# KiCad board austin.kicad_pcb
title: Austin PCB; date: 2019-09-29; rev: Alpha; company: Designed By Gondolindrim; note: In partnership with driftingbunnies and PheonixStarr
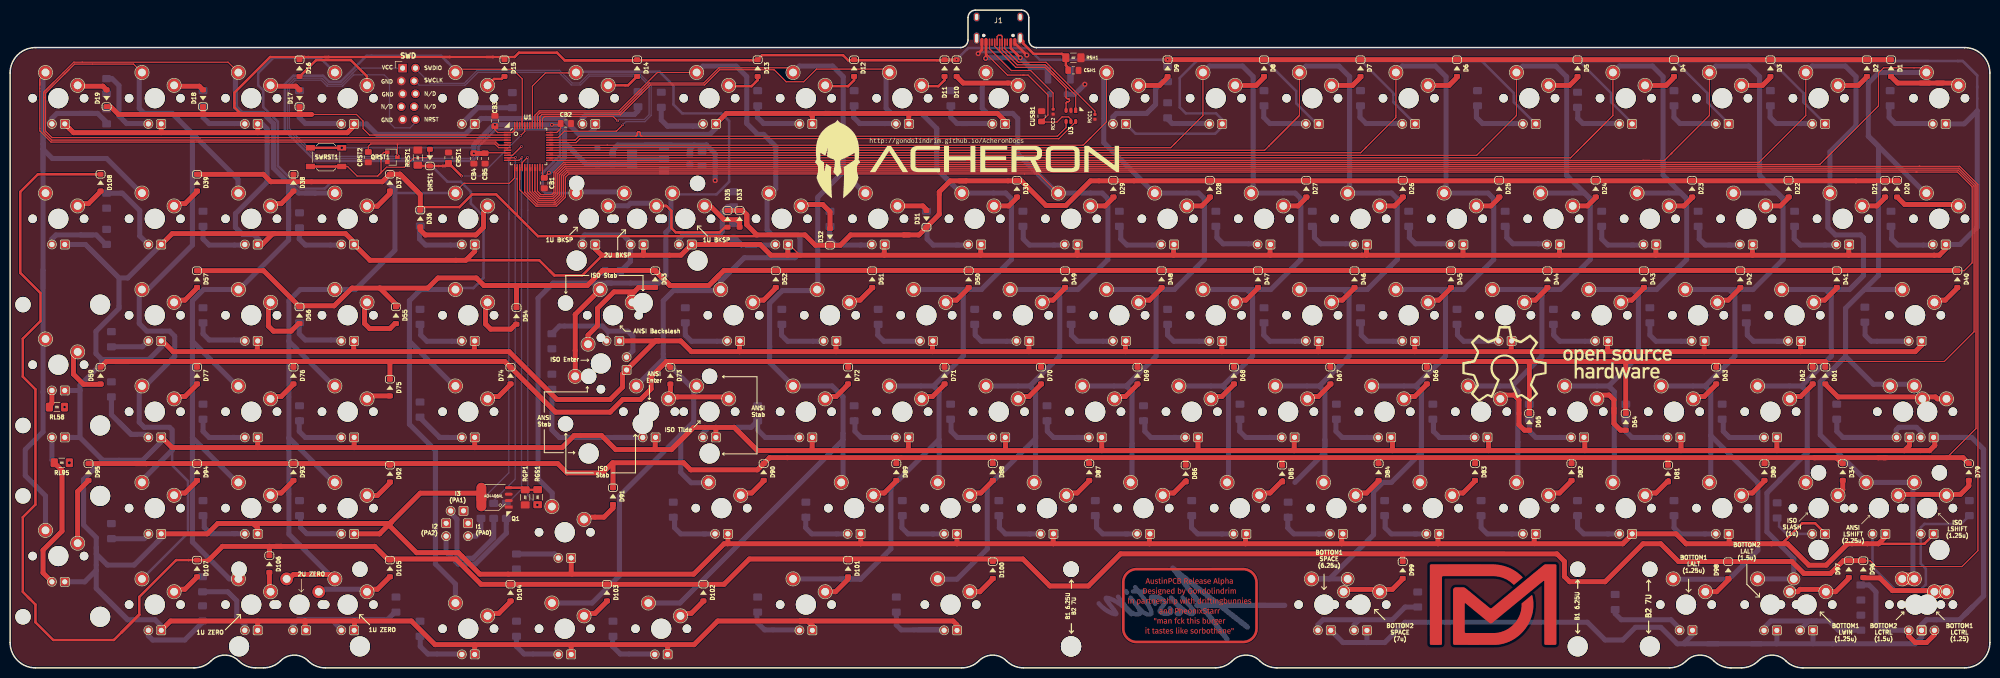
[diagram p0: board, top side]
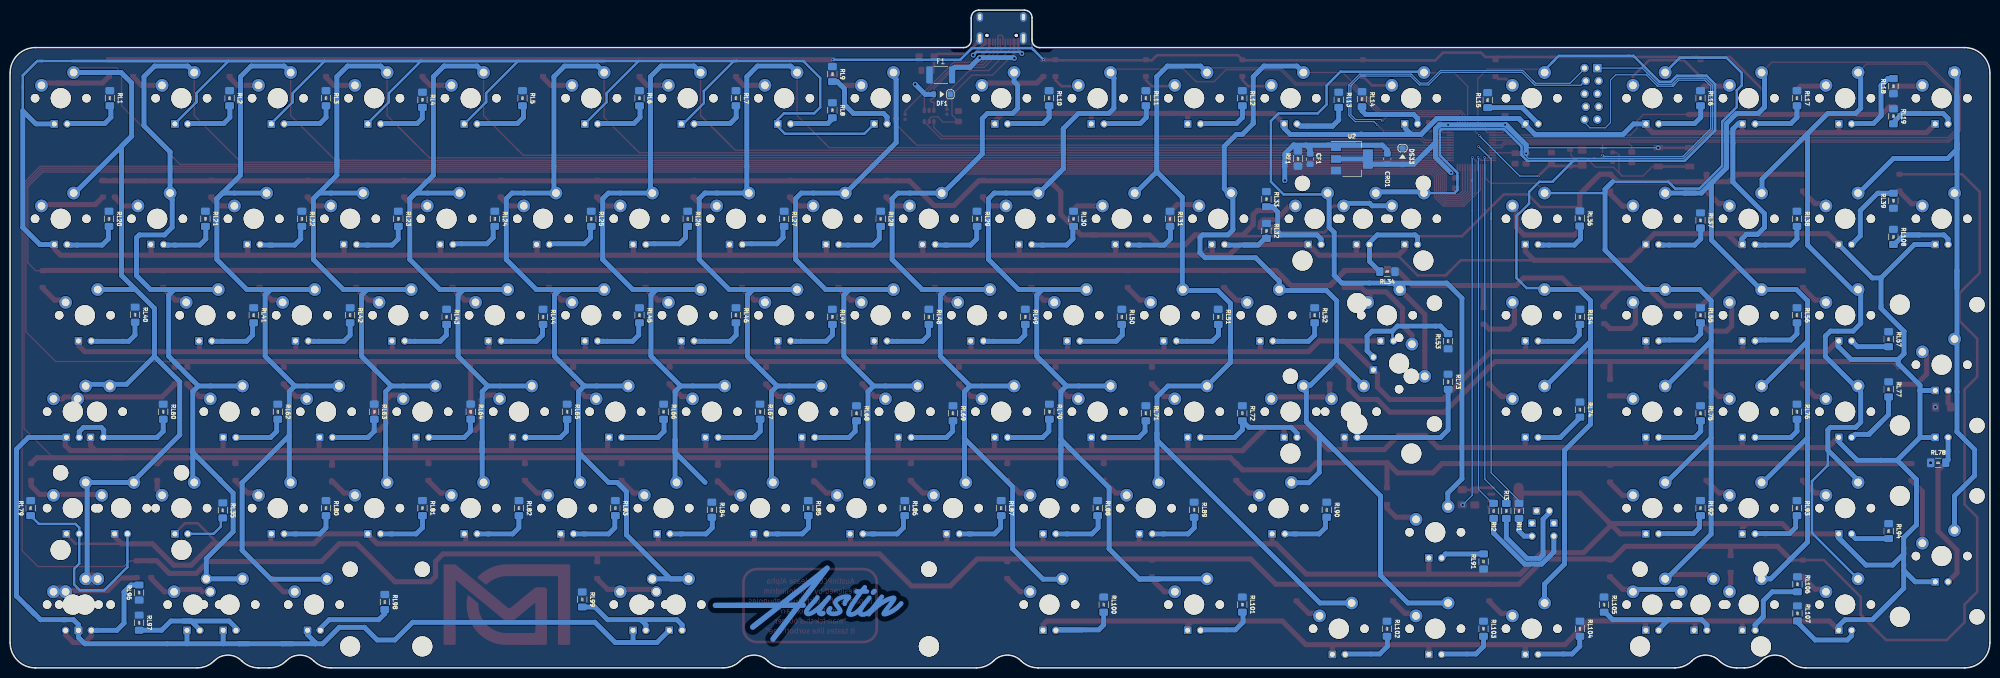
[diagram p1: board, bottom side, seen from below]

Outline 391 x 129.91 mm; copper layers: Top, Bottom. Coordinates in mm from the lower left corner of the outline.
Outline path: 0,117.48 arc(1.48,121.06) 5.08,122.51 187.68,122.51 arc(188.74,122.95) 189.18,124.01 189.18,128.41 arc(189.62,129.47) 190.68,129.91 199.69,129.91 arc(200.75,129.47) 201.19,128.41 201.19,124.01 arc(201.63,122.95) 202.69,122.51 386,122.51 arc(389.54,121.04) 391,117.51 391,5 arc(389.54,1.47) 386,0 354.07,0 arc(352.23,0.37) 350.68,1.41 arc(347.98,2.53) 345.28,1.41 arc(343.72,0.37) 341.88,0 339.85,0 arc(338.01,0.37) 336.45,1.41 arc(333.75,2.53) 331.05,1.41 arc(329.5,0.37) 327.66,0 250.19,0 arc(248.35,0.37) 246.79,1.41 arc(244.09,2.53) 241.39,1.41 arc(239.83,0.37) 238,0 200.15,0 arc(198.31,0.37) 196.75,1.41 arc(194.05,2.53) 191.35,1.41 arc(189.8,0.37) 187.96,0 62.23,0 arc(60.39,0.37) 58.83,1.41 arc(56.13,2.53) 53.43,1.41 arc(51.87,0.37) 50.04,0 48.51,0 arc(46.67,0.37) 45.11,1.41 arc(42.42,2.53) 39.72,1.41 arc(38.16,0.37) 36.32,0 5,0 arc(1.46,1.46) 0,5 0,117.48

## Placement (name value [footprint] x y rotation side)
CB1  100n  [C_0805_2012Metric_Pad1.15x1.40mm_HandSolder]  105.5 95.76 270 top
CB2  100n  [C_0805_2012Metric_Pad1.15x1.40mm_HandSolder]  109.75 107.51 0 top
CB3  100n  [C_0805_2012Metric_Pad1.15x1.40mm_HandSolder]  95.75 108.01 90 top
CB4  100n  [C_0805_2012Metric_Pad1.15x1.40mm_HandSolder]  91.59 100.61 270 top
CB5  10u  [C_0805_2012Metric_Pad1.15x1.40mm_HandSolder]  93.79 100.61 270 top
CF1  10u  [C_0805_2012Metric_Pad1.15x1.40mm_HandSolder]  134.25 100.51 270 bottom
CRO1  100n  [C_0805_2012Metric_Pad1.15x1.40mm_HandSolder]  119 100.51 270 bottom
CRST1  10u  [C_0805_2012Metric_Pad1.15x1.40mm_HandSolder]  86.58 100.78 270 top
CRST2  4.7n  [C_0805_2012Metric_Pad1.15x1.40mm_HandSolder]  70.73 100.87 270 top
CSH1  4.7n  [C_0805_2012Metric_Pad1.15x1.40mm_HandSolder]  210 118.01 180 top
CUSB1  4.7n  [C_0805_2012Metric_Pad1.15x1.40mm_HandSolder]  203.71 108.94 270 top
D1  1N4148  [D_SOD-123]  371.47 118.46 270 top
D2  1N4148  [D_SOD-123]  366.71 118.46 270 top
D3  1N4148  [D_SOD-123]  347.66 118.46 270 top
D4  1N4148  [D_SOD-123]  328.61 118.46 270 top
D5  1N4148  [D_SOD-123]  309.56 118.46 270 top
D6  1N4148  [D_SOD-123]  285.75 118.46 270 top
D7  1N4148  [D_SOD-123]  266.7 118.46 270 top
D8  1N4148  [D_SOD-123]  247.65 118.46 270 top
D9  1N4148  [D_SOD-123]  228.6 118.46 270 top
D10  1N4148  [D_SOD-123]  186.93 118.46 270 top
D11  1N4148  [D_SOD-123]  184.55 118.46 270 top
D12  1N4148  [D_SOD-123]  166.69 118.46 270 top
D13  1N4148  [D_SOD-123]  147.64 118.46 270 top
D14  1N4148  [D_SOD-123]  123.83 118.46 270 top
D15  1N4148  [D_SOD-123]  97.63 118.46 270 top
D16  1N4148  [D_SOD-123]  57.15 118.46 270 top
D17  1N4148  [D_SOD-123]  57.15 112.51 90 top
D18  1N4148  [D_SOD-123]  38.1 112.51 90 top
D19  1N4148  [D_SOD-123]  19.05 112.51 90 top
D20  1N4148  [D_SOD-123]  372.67 94.65 270 top
D21  1N4148  [D_SOD-123]  370.28 94.65 270 top
D22  1N4148  [D_SOD-123]  351.23 94.65 270 top
D23  1N4148  [D_SOD-123]  332.18 94.65 270 top
D24  1N4148  [D_SOD-123]  313.13 94.65 270 top
D25  1N4148  [D_SOD-123]  294.08 94.65 270 top
D26  1N4148  [D_SOD-123]  275.03 94.65 270 top
D27  1N4148  [D_SOD-123]  255.98 94.65 270 top
D28  1N4148  [D_SOD-123]  236.93 94.65 270 top
D29  1N4148  [D_SOD-123]  217.88 94.65 270 top
D30  1N4148  [D_SOD-123]  198.83 94.65 270 top
D31  1N4148  [D_SOD-123]  180.98 88.7 90 top
D32  1N4148  [D_SOD-123]  161.93 85.12 90 top
D33  1N4148  [D_SOD-123]  144.07 88.7 270 top
D34  1N4148  [D_SOD-123]  361.95 38.69 270 top
D35  1N4148  [D_SOD-123]  141.68 88.7 270 top
D36  1N4148  [D_SOD-123]  81 88.76 270 top
D37  1N4148  [D_SOD-123]  75.01 95.84 270 top
D38  1N4148  [D_SOD-123]  55.96 95.84 270 top
D39  1N4148  [D_SOD-123]  36.91 95.84 270 top
D40  1N4148  [D_SOD-123]  384.57 76.79 270 top
D41  1N4148  [D_SOD-123]  360.76 76.79 270 top
D42  1N4148  [D_SOD-123]  341.71 76.79 270 top
D43  1N4148  [D_SOD-123]  322.66 76.79 270 top
D44  1N4148  [D_SOD-123]  303.61 76.79 270 top
D45  1N4148  [D_SOD-123]  284.56 76.79 270 top
D46  1N4148  [D_SOD-123]  265.51 76.79 270 top
D47  1N4148  [D_SOD-123]  246.46 76.79 270 top
D48  1N4148  [D_SOD-123]  227.41 76.79 270 top
D49  1N4148  [D_SOD-123]  208.36 76.79 270 top
D50  1N4148  [D_SOD-123]  189.31 76.79 270 top
D51  1N4148  [D_SOD-123]  170.26 76.79 270 top
D52  1N4148  [D_SOD-123]  151.21 76.79 270 top
D53  1N4148  [D_SOD-123]  127.4 76.79 270 top
D54  1N4148  [D_SOD-123]  100 69.51 270 top
D55  1N4148  [D_SOD-123]  76.2 69.65 270 top
D56  1N4148  [D_SOD-123]  57.15 69.65 270 top
D57  1N4148  [D_SOD-123]  36.91 76.79 270 top
D59  1N4148  [D_SOD-123]  17.86 57.74 270 top
D61  1N4148  [D_SOD-123]  358.5 57.74 270 top
D62  1N4148  [D_SOD-123]  356 57.74 270 top
D63  1N4148  [D_SOD-123]  336.95 57.74 270 top
D64  1N4148  [D_SOD-123]  319.09 48.6 270 top
D65  1N4148  [D_SOD-123]  300.04 48.6 270 top
D66  1N4148  [D_SOD-123]  279.8 57.74 270 top
D67  1N4148  [D_SOD-123]  260.75 57.74 270 top
D68  1N4148  [D_SOD-123]  241.7 57.74 270 top
D69  1N4148  [D_SOD-123]  222.65 57.74 270 top
D70  1N4148  [D_SOD-123]  203.6 57.74 270 top
D71  1N4148  [D_SOD-123]  184.55 57.74 270 top
D72  1N4148  [D_SOD-123]  165.5 57.74 270 top
D73  1N4148  [D_SOD-123]  130.4 57.71 270 top
D74  1N4148  [D_SOD-123]  98.82 57.74 270 top
D75  1N4148  [D_SOD-123]  75.01 55.36 270 top
D76  1N4148  [D_SOD-123]  55.96 57.74 270 top
D77  1N4148  [D_SOD-123]  36.91 57.74 270 top
D79  1N4148  [D_SOD-123]  386.84 38.69 270 top
D80  1N4148  [D_SOD-123]  346.47 38.69 270 top
D81  1N4148  [D_SOD-123]  327.42 38.38 270 top
D82  1N4148  [D_SOD-123]  308.37 38.69 270 top
D83  1N4148  [D_SOD-123]  289.32 38.69 270 top
D84  1N4148  [D_SOD-123]  270.27 38.69 270 top
D85  1N4148  [D_SOD-123]  251.22 38.38 270 top
D86  1N4148  [D_SOD-123]  232.17 38.38 270 top
D87  1N4148  [D_SOD-123]  213.12 38.69 270 top
D88  1N4148  [D_SOD-123]  194.07 38.69 270 top
D89  1N4148  [D_SOD-123]  175.02 38.69 270 top
D90  1N4148  [D_SOD-123]  148.83 38.69 270 top
D91  1N4148  [D_SOD-123]  119.06 33.93 270 top
D92  1N4148  [D_SOD-123]  75.01 38.38 270 top
D93  1N4148  [D_SOD-123]  55.96 38.69 270 top
D94  1N4148  [D_SOD-123]  36.91 38.69 270 top
D95  1N4148  [D_SOD-123]  15.48 38.69 270 top
D96  1N4148  [D_SOD-123]  366 19.51 270 top
D97  1N4148  [D_SOD-123]  363.14 19.51 270 top
D98  1N4148  [D_SOD-123]  339.33 19.33 270 top
D99  1N4148  [D_SOD-123]  275.03 19.33 270 top
D100  1N4148  [D_SOD-123]  194.07 19.33 270 top
D101  1N4148  [D_SOD-123]  165.5 19.64 270 top
D102  1N4148  [D_SOD-123]  136.92 14.88 270 top
D103  1N4148  [D_SOD-123]  117.87 14.88 270 top
D104  1N4148  [D_SOD-123]  98.82 14.88 270 top
D105  1N4148  [D_SOD-123]  75.01 19.64 270 top
D106  1N4148  [D_SOD-123]  51.2 20.52 270 top
D107  1N4148  [D_SOD-123]  36.91 19.64 270 top
D108  1N4148  [D_SOD-123]  17.86 95.84 270 top
DF1  RB060M-60TR  [D_SOD-123]  206.96 113.28 0 bottom
DRST1  1N4148  [D_SOD-123]  82.91 100.78 90 top
DS33  1N4007  [D_SOD-123]  116 101.01 270 bottom
F1  1.5A trip polyfuse  [Fuse_1812_4532Metric_Pad1.30x3.40mm_HandSolder]  207.2 117.11 180 bottom
J1  TYPE-C-31-M12_13  [TYPE-C-31-M-12]  195.18 122.85 180 top
J5  Conn_ARM_JTAG_SWD_10  [PinHeader_2x05_P2.54mm_Vertical]  77.39 118.46 0 top
L1  Drift Mechanics Logo  [driftMechanics_logo]  292.89 12.5 0 top
L2  LogoBack  [acheronLongExtended]  189 100.51 0 top
L3  OSHLogo  [osh-logoExtended]  307.5 60.03 0 top
L4  AustinLogoPlated  [austinLogo_16x40_Plated]  233.4 12.71 180 bottom
L5  AustinLabel  [austinLabel]  233 12.31 0 top
L6  Austin Label Mask  [austinLabelMask]  233 12.31 0 top
LED1  LED  [LED_THT_2.54mm]  381 107.43 0 top
LED2  LED  [LED_THT_2.54mm]  357.19 107.43 0 top
LED3  LED  [LED_THT_2.54mm]  338.14 107.43 0 top
LED4  LED  [LED_THT_2.54mm]  319.09 107.43 0 top
LED5  LED  [LED_THT_2.54mm]  300.04 107.43 0 top
LED6  LED  [LED_THT_2.54mm]  276.23 107.43 0 top
LED7  LED  [LED_THT_2.54mm]  257.17 107.44 0 top
LED8  LED  [LED_THT_2.54mm]  238.12 107.43 0 top
LED9  LED  [LED_THT_2.54mm]  219.07 107.43 0 top
LED10  LED  [LED_THT_2.54mm]  195.26 107.43 0 top
LED11  LED  [LED_THT_2.54mm]  176.21 107.43 0 top
LED12  LED  [LED_THT_2.54mm]  157.16 107.43 0 top
LED13  LED  [LED_THT_2.54mm]  138.11 107.43 0 top
LED14  LED  [LED_THT_2.54mm]  114.3 107.43 0 top
LED15  LED  [LED_THT_2.54mm]  90.49 107.43 0 top
LED16  LED  [LED_THT_2.54mm]  66.67 107.43 0 top
LED17  LED  [LED_THT_2.54mm]  47.62 107.43 0 top
LED18  LED  [LED_THT_2.54mm]  28.58 107.43 0 top
LED19  LED  [LED_THT_2.54mm]  9.53 107.43 0 top
LED20  LED  [LED_THT_2.54mm]  381 83.62 0 top
LED21  LED  [LED_THT_2.54mm]  361.95 83.62 0 top
LED22  LED  [LED_THT_2.54mm]  342.9 83.62 0 top
LED23  LED  [LED_THT_2.54mm]  323.85 83.62 0 top
LED24  LED  [LED_THT_2.54mm]  304.8 83.62 0 top
LED25  LED  [LED_THT_2.54mm]  285.75 83.62 0 top
LED26  LED  [LED_THT_2.54mm]  266.7 83.62 0 top
LED27  LED  [LED_THT_2.54mm]  247.65 83.62 0 top
LED28  LED  [LED_THT_2.54mm]  228.6 83.62 0 top
LED29  LED  [LED_THT_2.54mm]  209.55 83.62 0 top
LED30  LED  [LED_THT_2.54mm]  190.5 83.62 0 top
LED31  LED  [LED_THT_2.54mm]  171.45 83.62 0 top
LED32  LED  [LED_THT_2.54mm]  152.4 83.62 0 top
LED33  LED  [LED_THT_2.54mm]  133.35 83.62 0 top
LED34  LED  [LED_THT_2.54mm]  123.83 83.62 0 top
LED35  LED  [LED_THT_2.54mm]  114.3 83.62 0 top
LED36  LED  [LED_THT_2.54mm]  90.49 83.62 0 top
LED37  LED  [LED_THT_2.54mm]  66.67 83.62 0 top
LED38  LED  [LED_THT_2.54mm]  47.62 83.62 0 top
LED39  LED  [LED_THT_2.54mm]  28.58 83.62 0 top
LED40  LED  [LED_THT_2.54mm]  376.24 64.57 0 top
LED41  LED  [LED_THT_2.54mm]  352.43 64.57 0 top
LED42  LED  [LED_THT_2.54mm]  333.38 64.57 0 top
LED43  LED  [LED_THT_2.54mm]  314.32 64.57 0 top
LED44  LED  [LED_THT_2.54mm]  295.28 64.57 0 top
LED45  LED  [LED_THT_2.54mm]  276.23 64.57 0 top
LED46  LED  [LED_THT_2.54mm]  257.18 64.57 0 top
LED47  LED  [LED_THT_2.54mm]  238.12 64.57 0 top
LED48  LED  [LED_THT_2.54mm]  219.07 64.57 0 top
LED49  LED  [LED_THT_2.54mm]  200.03 64.57 0 top
LED50  LED  [LED_THT_2.54mm]  180.98 64.57 0 top
LED51  LED  [LED_THT_2.54mm]  161.93 64.57 0 top
LED52  LED  [LED_THT_2.54mm]  142.88 64.57 0 top
LED53  LED  [LED_THT_2.54mm]  119.06 64.57 0 top
LED54  LED  [LED_THT_2.54mm]  90.49 64.57 0 top
LED55  LED  [LED_THT_2.54mm]  66.67 64.57 0 top
LED56  LED  [LED_THT_2.54mm]  47.62 64.57 0 top
LED57  LED  [LED_THT_2.54mm]  28.58 64.57 0 top
LED58  LED  [LED_THT_2.54mm]  9.52 54.79 0 top
LED59  LED  [LED_THT_2.54mm]  378.61 26.48 0 top
LED60  LED  [LED_THT_2.54mm]  373.86 45.52 0 top
LED61  LED  [LED_THT_2.54mm]  378.62 45.52 0 top
LED62  LED  [LED_THT_2.54mm]  347.66 45.52 0 top
LED63  LED  [LED_THT_2.54mm]  328.61 45.52 0 top
LED64  LED  [LED_THT_2.54mm]  309.56 45.52 0 top
LED65  LED  [LED_THT_2.54mm]  290.51 45.52 0 top
LED66  LED  [LED_THT_2.54mm]  271.46 45.52 0 top
LED67  LED  [LED_THT_2.54mm]  252.41 45.52 0 top
LED68  LED  [LED_THT_2.54mm]  233.36 45.52 0 top
LED69  LED  [LED_THT_2.54mm]  214.31 45.52 0 top
LED70  LED  [LED_THT_2.54mm]  195.26 45.52 0 top
LED71  LED  [LED_THT_2.54mm]  176.21 45.52 0 top
LED72  LED  [LED_THT_2.54mm]  157.16 45.52 0 top
LED73  LED  [LED_THT_2.54mm]  126.21 45.52 0 top
LED74  LED  [LED_THT_2.54mm]  90.49 45.52 0 top
LED75  LED  [LED_THT_2.54mm]  66.67 45.52 0 top
LED76  LED  [LED_THT_2.54mm]  47.62 45.52 0 top
LED77  LED  [LED_THT_2.54mm]  28.58 45.52 0 top
LED78  LED  [LED_THT_2.54mm]  9.53 45.52 0 top
LED79  LED  [LED_THT_2.54mm]  369.09 26.47 0 top
LED80  LED  [LED_THT_2.54mm]  338.14 26.47 0 top
LED81  LED  [LED_THT_2.54mm]  319.09 26.47 0 top
LED82  LED  [LED_THT_2.54mm]  300.04 26.47 0 top
LED83  LED  [LED_THT_2.54mm]  280.99 26.47 0 top
LED84  LED  [LED_THT_2.54mm]  261.94 26.47 0 top
LED85  LED  [LED_THT_2.54mm]  242.89 26.47 0 top
LED86  LED  [LED_THT_2.54mm]  223.84 26.47 0 top
LED87  LED  [LED_THT_2.54mm]  204.79 26.47 0 top
LED88  LED  [LED_THT_2.54mm]  185.74 26.47 0 top
LED89  LED  [LED_THT_2.54mm]  166.69 26.47 0 top
LED90  LED  [LED_THT_2.54mm]  140.49 26.47 0 top
LED91  LED  [LED_THT_2.54mm]  109.54 21.71 0 top
LED92  LED  [LED_THT_2.54mm]  66.67 26.47 0 top
LED93  LED  [LED_THT_2.54mm]  47.62 26.47 0 top
LED94  LED  [LED_THT_2.54mm]  28.58 26.47 0 top
LED95  LED  [LED_THT_2.54mm]  9.52 17 0 top
LED96  LED  [LED_THT_2.54mm]  357.19 26.47 0 top
LED97  LED  [LED_THT_2.54mm]  354.8 7.41 0 top
LED98  LED  [LED_THT_2.54mm]  330.99 7.42 0 top
LED99  LED  [LED_THT_2.54mm]  259.56 7.42 0 top
LED100  LED  [LED_THT_2.54mm]  185.74 7.42 0 top
LED101  LED  [LED_THT_2.54mm]  157.16 7.42 0 top
LED102  LED  [LED_THT_2.54mm]  128.59 2.66 0 top
LED103  LED  [LED_THT_2.54mm]  109.54 2.66 0 top
LED104  LED  [LED_THT_2.54mm]  90.49 2.66 0 top
LED105  LED  [LED_THT_2.54mm]  66.67 7.42 0 top
LED106  LED  [LED_THT_2.54mm]  47.62 7.42 0 top
LED107  LED  [LED_THT_2.54mm]  28.58 7.42 0 top
LED108  LED  [LED_THT_2.54mm]  9.53 83.62 0 top
LED109  LED  [LED_THT_2.54mm]  378.78 7.41 180 top
LED110  LED  [LED_THT_2.54mm]  347.66 7.41 0 top
LED111  LED  [LED_THT_2.54mm]  266.7 7.41 0 top
LED112  LED  [LED_THT_2.54mm]  57.15 7.42 0 top
LED113  LED  [LED_THT_2.54mm]  376.24 7.41 0 top
LED114  LED  [LED_THT_2.54mm]  121.75 60.11 270 top
LED115  LED  [LED_THT_2.54mm]  138.11 45.52 0 top
LEDCAPS1  LED  [LED_THT_2.54mm]  88.27 31.01 0 top
LEDNUM1  LED  [LED_THT_2.54mm]  86.11 27.29 90 top
LEDSCRL1  LED  [LED_THT_2.54mm]  90.44 27.29 90 top
Q1  AO4406AL  [SOIC-8]  95.77 33.67 180 top
QRST1  DTC123J  [SOT-23]  75.49 100.87 0 top
RCC1  5.1k  [R_0402_1005Metric]  214.25 108.83 90 top
RCC2  5.1k  [R_0402_1005Metric]  205.99 109.84 90 top
RF1  100k  [R_SMD_1026]  136.65 100.57 90 bottom
RGP1  10k  [R_SMD_1026]  101.73 33.67 90 top
RGS1  100  [R_SMD_1026]  104.2 33.71 270 top
RI1  360  [R_SMD_1026]  93 31.01 270 bottom
RI2  360  [R_SMD_1026]  98 31.01 270 bottom
RI3  360  [R_SMD_1026]  95.5 31.01 270 bottom
RL1  360  [R_SMD_1026]  371.31 112.51 270 bottom
RL2  360  [R_SMD_1026]  347.66 112.51 270 bottom
RL3  360  [R_SMD_1026]  328.61 112.51 270 bottom
RL4  360  [R_SMD_1026]  309.56 112.2 270 bottom
RL5  360  [R_SMD_1026]  289.81 112.51 270 bottom
RL6  360  [R_SMD_1026]  266.7 112.51 270 bottom
RL7  360  [R_SMD_1026]  247.65 112.51 270 bottom
RL8  360  [R_SMD_1026]  228.6 110.13 270 bottom
RL9  360  [R_SMD_1026]  228.6 117.27 270 bottom
RL10  360  [R_SMD_1026]  185.8 112.51 270 bottom
RL11  360  [R_SMD_1026]  166.69 112.51 270 bottom
RL12  360  [R_SMD_1026]  147.64 112.51 270 bottom
RL13  360  [R_SMD_1026]  128.6 112.2 270 bottom
RL14  360  [R_SMD_1026]  124 112.31 270 bottom
RL15  360  [R_SMD_1026]  99.19 112.13 270 bottom
RL16  360  [R_SMD_1026]  57.15 112.51 270 bottom
RL17  360  [R_SMD_1026]  38.1 112.51 270 bottom
RL18  360  [R_SMD_1026]  19.05 114.89 90 bottom
RL19  360  [R_SMD_1026]  19.05 108.94 270 bottom
RL20  360  [R_SMD_1026]  371.48 88.7 270 bottom
RL21  360  [R_SMD_1026]  352.43 88.7 270 bottom
RL22  360  [R_SMD_1026]  333.38 88.7 270 bottom
RL23  360  [R_SMD_1026]  314.32 88.7 270 bottom
RL24  360  [R_SMD_1026]  295.28 88.7 270 bottom
RL25  360  [R_SMD_1026]  276.23 88.7 270 bottom
RL26  360  [R_SMD_1026]  257.18 88.7 270 bottom
RL27  360  [R_SMD_1026]  238.12 88.7 270 bottom
RL28  360  [R_SMD_1026]  219.07 88.7 270 bottom
RL29  360  [R_SMD_1026]  200.03 88.7 270 bottom
RL30  360  [R_SMD_1026]  180.98 88.7 270 bottom
RL31  360  [R_SMD_1026]  161.93 88.7 270 bottom
RL32  360  [R_SMD_1026]  142.88 86.32 270 bottom
RL33  360  [R_SMD_1026]  142.88 92.57 270 bottom
RL34  360  [R_SMD_1026]  119 78.26 0 bottom
RL35  360  [R_SMD_1026]  349 31.1 270 bottom
RL36  360  [R_SMD_1026]  81 88.76 270 bottom
RL37  360  [R_SMD_1026]  57.15 88.38 270 bottom
RL38  360  [R_SMD_1026]  38.1 88.7 270 bottom
RL39  360  [R_SMD_1026]  19.05 92.27 90 bottom
RL40  360  [R_SMD_1026]  366.31 69.76 270 bottom
RL41  360  [R_SMD_1026]  342.9 69.65 270 bottom
RL42  360  [R_SMD_1026]  323.85 69.65 270 bottom
RL43  360  [R_SMD_1026]  304.8 69.33 270 bottom
RL44  360  [R_SMD_1026]  285.75 69.33 270 bottom
RL45  360  [R_SMD_1026]  266.7 69.65 270 bottom
RL46  360  [R_SMD_1026]  247.65 69.65 270 bottom
RL47  360  [R_SMD_1026]  228.6 69.33 270 bottom
RL48  360  [R_SMD_1026]  209.55 69.33 270 bottom
RL49  360  [R_SMD_1026]  190.5 69.33 270 bottom
RL50  360  [R_SMD_1026]  171.45 69.33 270 bottom
RL51  360  [R_SMD_1026]  152.4 69.33 270 bottom
RL52  360  [R_SMD_1026]  133.35 69.65 270 bottom
RL53  360  [R_SMD_1026]  107 64.51 90 bottom
RL54  360  [R_SMD_1026]  80.96 69.33 270 bottom
RL55  360  [R_SMD_1026]  57.15 69.65 270 bottom
RL56  360  [R_SMD_1026]  38.1 69.65 270 bottom
RL57  360  [R_SMD_1026]  20 64.91 270 bottom
RL58  360  [R_SMD_1026]  9.25 51.51 180 top
RL60  360  [R_SMD_1026]  360.76 50.6 270 bottom
RL62  360  [R_SMD_1026]  338.14 50.6 270 bottom
RL63  360  [R_SMD_1026]  319.09 50.6 270 bottom
RL64  360  [R_SMD_1026]  300.04 50.6 270 bottom
RL65  360  [R_SMD_1026]  280.99 50.6 270 bottom
RL66  360  [R_SMD_1026]  261.94 50.6 270 bottom
RL67  360  [R_SMD_1026]  242.89 50.6 270 bottom
RL68  360  [R_SMD_1026]  223.84 50.28 270 bottom
RL69  360  [R_SMD_1026]  204.79 50.28 270 bottom
RL70  360  [R_SMD_1026]  185.74 50.6 270 bottom
RL71  360  [R_SMD_1026]  166.69 50.28 270 bottom
RL72  360  [R_SMD_1026]  147.64 50.28 270 bottom
RL73  360  [R_SMD_1026]  107 56.51 270 bottom
RL74  360  [R_SMD_1026]  80.96 51.01 270 bottom
RL75  360  [R_SMD_1026]  57.15 50.28 270 bottom
RL76  360  [R_SMD_1026]  38.1 50.6 270 bottom
RL77  360  [R_SMD_1026]  20 55.01 270 bottom
RL78  360  [R_SMD_1026]  10.2 40.51 180 bottom
RL79  360  [R_SMD_1026]  386.95 31.55 270 bottom
RL80  360  [R_SMD_1026]  328.61 31.55 270 bottom
RL81  360  [R_SMD_1026]  309.56 31.55 270 bottom
RL82  360  [R_SMD_1026]  290.51 31.55 270 bottom
RL83  360  [R_SMD_1026]  271.46 31.55 270 bottom
RL84  360  [R_SMD_1026]  252.41 31.23 270 bottom
RL85  360  [R_SMD_1026]  233.36 31.55 270 bottom
RL86  360  [R_SMD_1026]  214.31 31.55 270 bottom
RL87  360  [R_SMD_1026]  195.26 31.55 270 bottom
RL88  360  [R_SMD_1026]  176.21 31.55 270 bottom
RL89  360  [R_SMD_1026]  157.16 31.23 270 bottom
RL90  360  [R_SMD_1026]  130.97 31.23 270 bottom
RL91  360  [R_SMD_1026]  100 21.01 90 bottom
RL92  360  [R_SMD_1026]  57.15 31.55 270 bottom
RL93  360  [R_SMD_1026]  38.1 31.55 270 bottom
RL94  360  [R_SMD_1026]  20 27.01 270 bottom
RL95  360  [R_SMD_1026]  10.2 40.51 180 top
RL96  360  [R_SMD_1026]  365.52 14.88 90 bottom
RL97  360  [R_SMD_1026]  365.52 8.92 270 bottom
RL98  360  [R_SMD_1026]  317 13.01 270 bottom
RL99  360  [R_SMD_1026]  278 13.51 270 bottom
RL100  360  [R_SMD_1026]  175.02 12.5 270 bottom
RL101  360  [R_SMD_1026]  147.64 12.5 270 bottom
RL102  360  [R_SMD_1026]  119.06 7.73 270 bottom
RL103  360  [R_SMD_1026]  100.01 7.73 270 bottom
RL104  360  [R_SMD_1026]  80.96 7.73 270 bottom
RL105  360  [R_SMD_1026]  76.2 12.5 270 bottom
RL106  360  [R_SMD_1026]  38 16.51 270 bottom
RL107  360  [R_SMD_1026]  38 10.76 270 bottom
RL108  360  [R_SMD_1026]  19.05 85.12 270 bottom
RRST1  100k  [R_SMD_1026]  80.53 100.78 90 top
RSH1  1M  [R_SMD_1026]  210 120.51 0 top
SW1  MXSwitch  [MX100]  381 112.51 0 top
SW2  MXSwitch  [MX100]  357.19 112.51 0 top
SW3  MXSwitch  [MX100]  338.14 112.51 0 top
SW4  MXSwitch  [MX100]  319.09 112.51 0 top
SW5  MXSwitch  [MX100]  300.04 112.51 0 top
SW6  MXSwitch  [MX100]  276.23 112.51 0 top
SW7  MXSwitch  [MX100]  257.18 112.51 0 top
SW8  MXSwitch  [MX100]  238.12 112.51 0 top
SW9  MXSwitch  [MX100]  219.07 112.51 0 top
SW10  MXSwitch  [MX100]  195.26 112.51 0 top
SW11  MXSwitch  [MX100]  176.21 112.51 0 top
SW12  MXSwitch  [MX100]  157.16 112.51 0 top
SW13  MXSwitch  [MX100]  138.11 112.51 0 top
SW14  MXSwitch  [MX100]  114.3 112.51 0 top
SW15  MXSwitch  [MX100]  90.49 112.51 0 top
SW16  MXSwitch  [MX100]  66.67 112.51 0 top
SW17  MXSwitch  [MX100]  47.62 112.51 0 top
SW18  MXSwitch  [MX100]  28.58 112.51 0 top
SW19  MXSwitch  [MX100]  9.53 112.51 0 top
SW20  MXSwitch  [MX100]  381 88.7 0 top
SW21  MXSwitch  [MX100]  361.95 88.7 0 top
SW22  MXSwitch  [MX100]  342.9 88.7 0 top
SW23  MXSwitch  [MX100]  323.85 88.7 0 top
SW24  MXSwitch  [MX100]  304.8 88.7 0 top
SW25  MXSwitch  [MX100]  285.75 88.7 0 top
SW26  MXSwitch  [MX100]  266.7 88.7 0 top
SW27  MXSwitch  [MX100]  247.65 88.7 0 top
SW28  MXSwitch  [MX100]  228.6 88.7 0 top
SW29  MXSwitch  [MX100]  209.55 88.7 0 top
SW30  MXSwitch  [MX100]  190.5 88.7 0 top
SW31  MXSwitch  [MX100]  171.45 88.7 0 top
SW32  MXSwitch  [MX100]  152.4 88.7 0 top
SW33  MXSwitch  [MX100]  133.35 88.7 0 top
SW34  MXSwitch  [MX200]  123.83 88.7 0 top
SW35  MXSwitch  [MX100]  114.3 88.7 0 top
SW36  MXSwitch  [MX100]  90.49 88.7 0 top
SW37  MXSwitch  [MX100]  66.67 88.7 0 top
SW38  MXSwitch  [MX100]  47.62 88.7 0 top
SW39  MXSwitch  [MX100]  28.58 88.7 0 top
SW40  MXSwitch  [MX150]  376.24 69.65 0 top
SW41  MXSwitch  [MX100]  352.43 69.65 0 top
SW42  MXSwitch  [MX100]  333.38 69.65 0 top
SW43  MXSwitch  [MX100]  314.32 69.65 0 top
SW44  MXSwitch  [MX100]  295.28 69.65 0 top
SW45  MXSwitch  [MX100]  276.23 69.65 0 top
SW46  MXSwitch  [MX100]  257.18 69.65 0 top
SW47  MXSwitch  [MX100]  238.12 69.65 0 top
SW48  MXSwitch  [MX100]  219.07 69.65 0 top
SW49  MXSwitch  [MX100]  200.03 69.65 0 top
SW50  MXSwitch  [MX100]  180.98 69.65 0 top
SW51  MXSwitch  [MX100]  161.93 69.65 0 top
SW52  MXSwitch  [MX100]  142.88 69.65 0 top
SW53  MXSwitch  [MX150]  119.06 69.65 0 top
SW54  MXSwitch  [MX100]  90.49 69.65 0 top
SW55  MXSwitch  [MX100]  66.67 69.65 0 top
SW56  MXSwitch  [MX100]  47.62 69.65 0 top
SW57  MXSwitch  [MX100]  28.58 69.65 0 top
SW58  ANSI LShift  [MX225]  369.09 31.55 0 top
SW59  MXSwitch  [MX200RV]  9.53 59.81 270 top
SW60  MXSwitch  [MX175]  373.86 50.6 0 top
SW61  MXSwitch  [MX125]  378.62 50.6 0 top
SW62  MXSwitch  [MX100]  347.66 50.6 0 top
SW63  MXSwitch  [MX100]  328.61 50.6 0 top
SW64  MXSwitch  [MX100]  309.56 50.6 0 top
SW65  MXSwitch  [MX100]  290.51 50.6 0 top
SW66  MXSwitch  [MX100]  271.46 50.6 0 top
SW67  MXSwitch  [MX100]  252.41 50.6 0 top
SW68  MXSwitch  [MX100]  233.36 50.6 0 top
SW69  MXSwitch  [MX100]  214.31 50.6 0 top
SW70  MXSwitch  [MX100]  195.26 50.6 0 top
SW71  MXSwitch  [MX100]  176.21 50.6 0 top
SW72  MXSwitch  [MX100]  157.16 50.6 0 top
SW73  MXSwitch  [MX225]  126.21 50.6 0 top
SW74  MXSwitch  [MX100]  90.49 50.6 0 top
SW75  MXSwitch  [MX100]  66.67 50.6 0 top
SW76  MXSwitch  [MX100]  47.62 50.6 0 top
SW77  MXSwitch  [MX100]  28.58 50.6 0 top
SW78  ISO Slash  [MX100]  357.19 31.55 0 top
SW79  ISO LShift  [MX125]  378.62 31.55 0 top
SW80  MXSwitch  [MX100]  338.14 31.55 0 top